# Altium PCB CPU_CARD.pcbdoc (part 9 of 10)
Units mil, origin at the board's own origin, x right, y up, seen from the top; angles counter-clockwise.
Board outline 12785.46 x 11935.21 mil, 2 copper layers (Top Layer, Bottom Layer); 169 components, 379 nets, 1548 pads, 1023 vias.
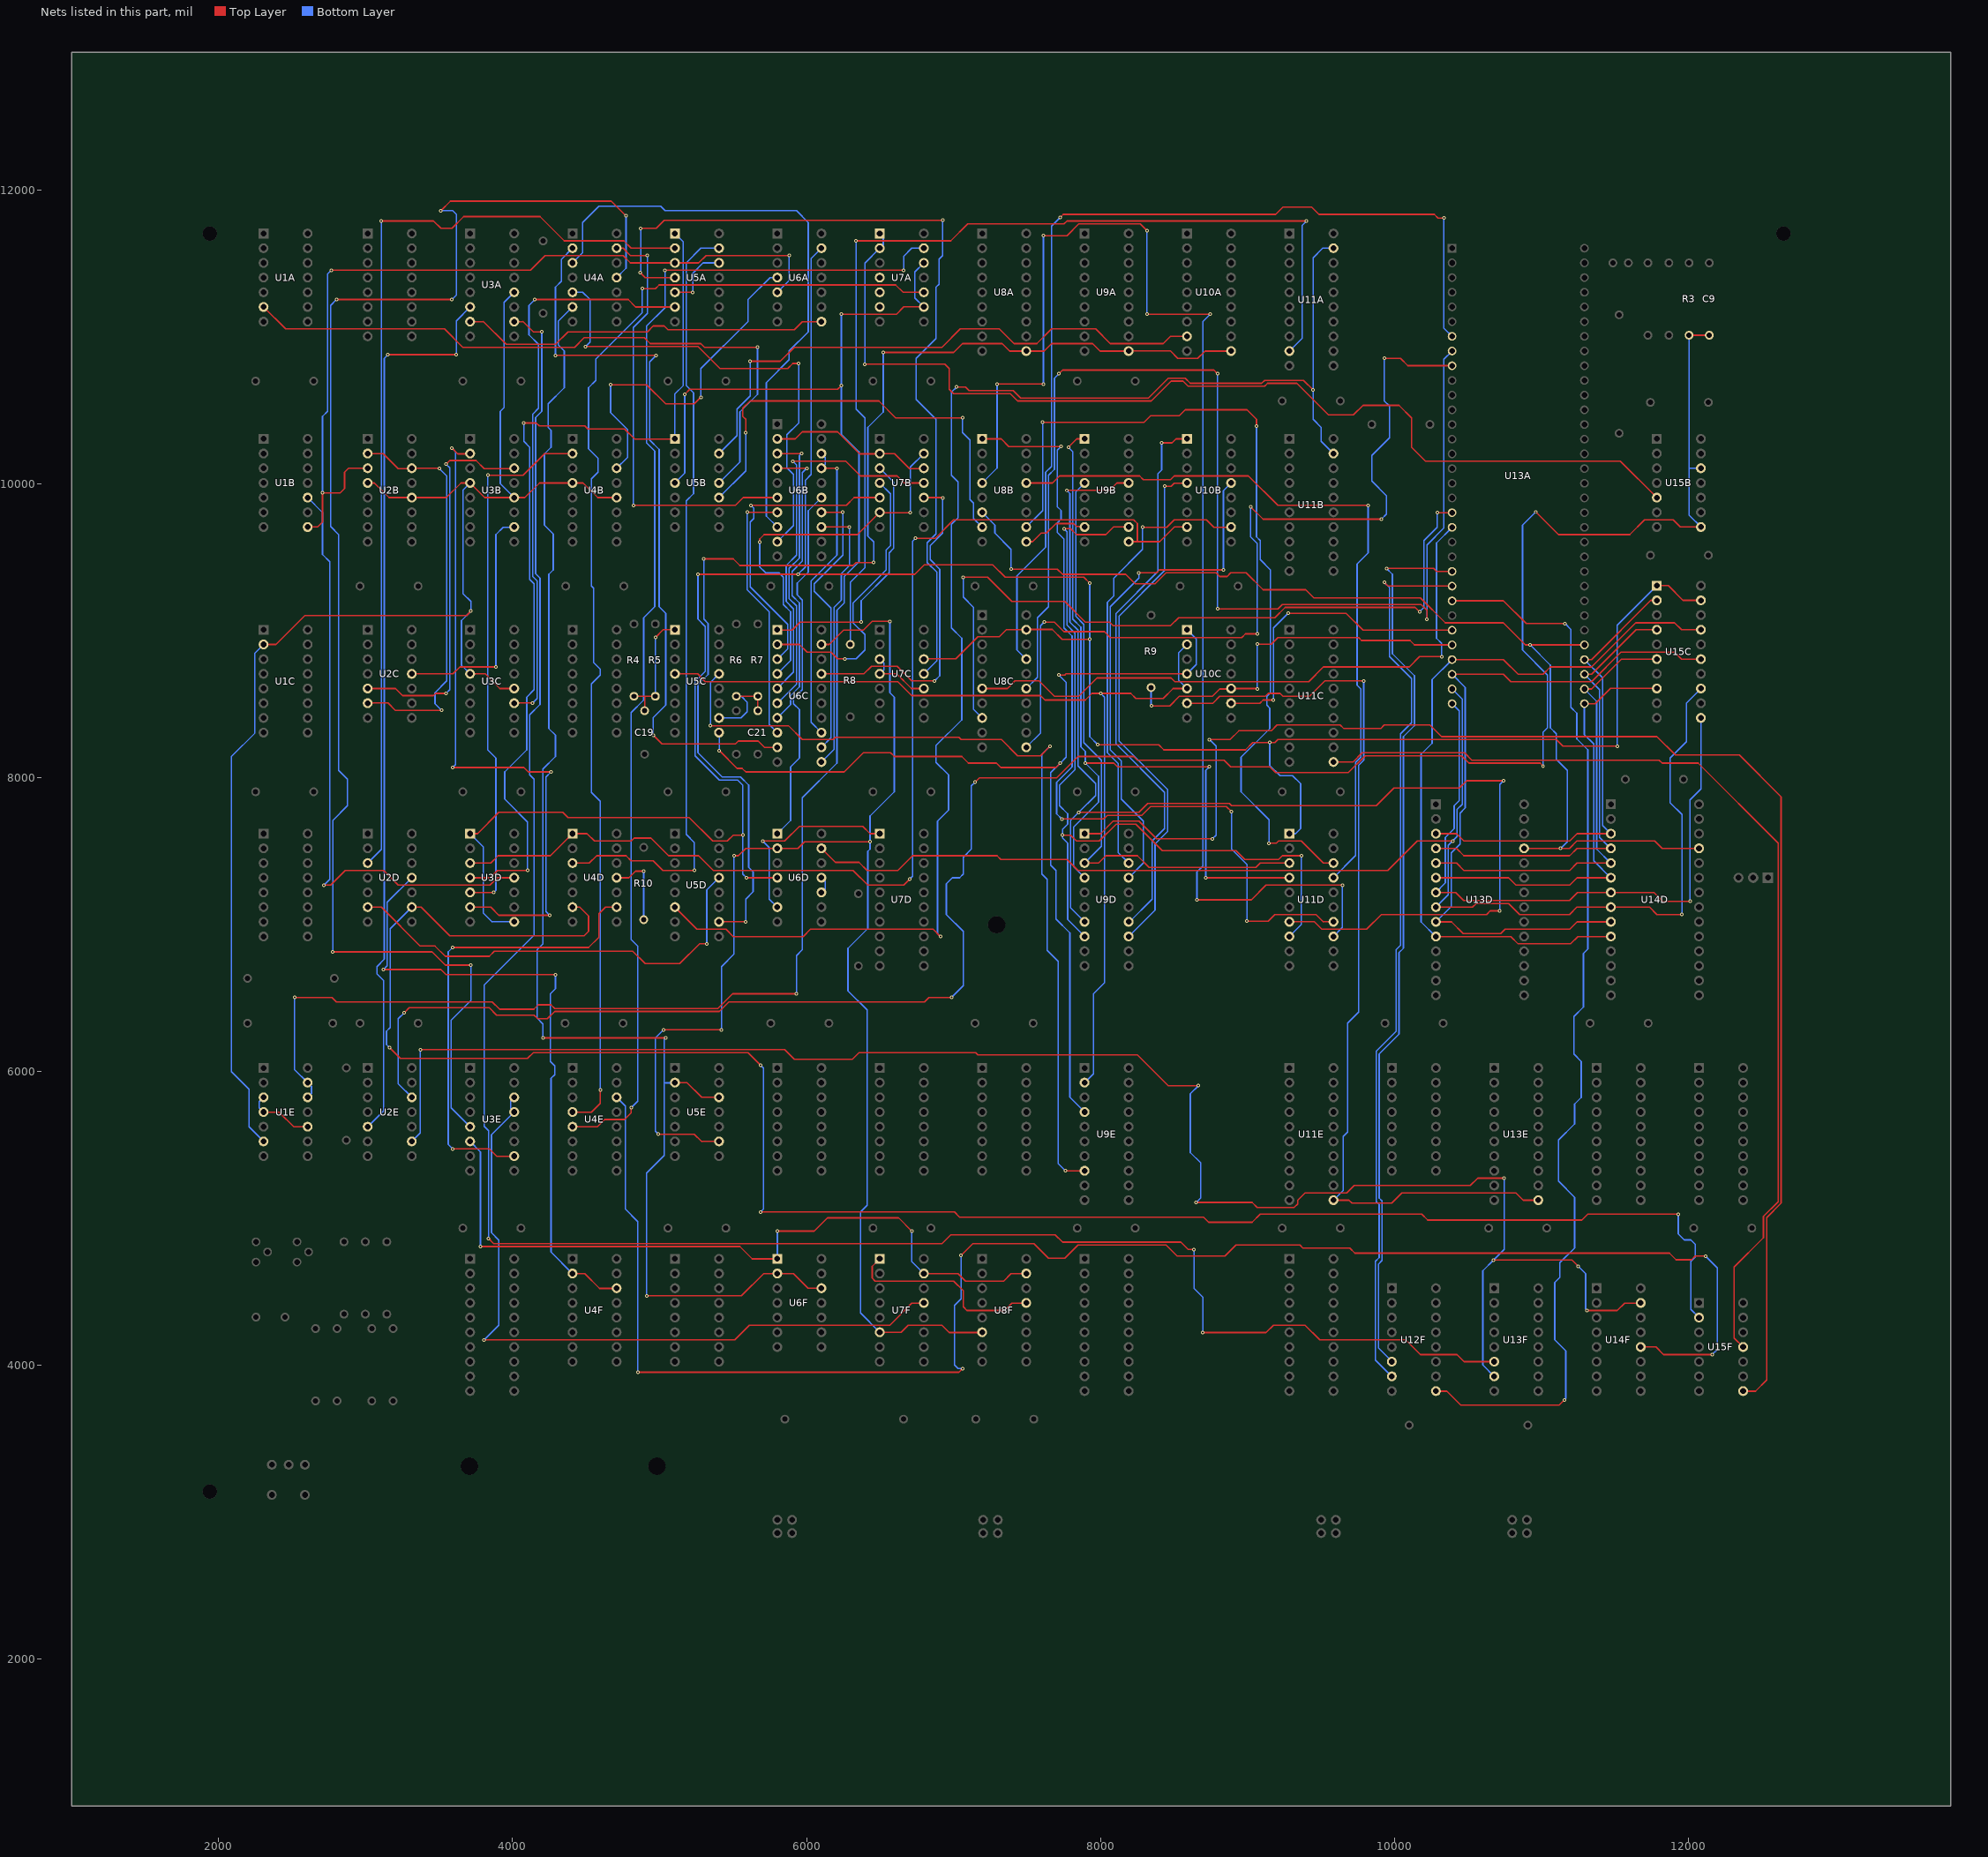
[diagram p9: the nets of this part, all layers, seen from the top]

## Via types
v1: diameter 24, hole 12, Top Layer to Bottom Layer, tented both sides, 1023 vias

## Nets (pads, with @x,y where several pads share a name; then routed paths per layer and width w, separated by ;. In a path a pad name is that pad's centre, name@x,y a point inside that pad or via, vN(x,y) a via of type N, cw(c..) or ccw(c..) an arc to the next point about the centre after c; other vN are vias at no path point) (continued)
U1E_6: U1C.2 U1E.6 U2B.4 U2B.12 U3A.12 U3B.4 U3B.12 U3C.4 U3C.12 U4B.4 U4B.12 | length 10180.4
  Top Layer w10: U1C.2@2305.33,8905.08 2389.6,8905.1 2586.7,9102.2 3686.7,9102.2 v1(3716.7,9132.2) ; U2B.4@3013.99,10004.29 3059.6,10004.3 3159.6,9904.3 U2B.12@3313.99,9904.29 3548.78,9904.29 3648.79,10004.3 U3B.4@3710.83,10004.3 ; U3C.4@3710.83,8705.08 3813.8,8705.1 3913.8,8605.1 U3C.12@4010.83,8605.08 ; U3B.4@3710.83,10004.3 3807.9,9907.2 3810.8,9904.3 U3B.12@4010.83,9904.3 ; U3B.12@4010.83,9904.3 4083.8,9904.3 4183.8,10004.3 U4B.4@4407.68,10004.3 4479.6,10004.3 4579.6,9904.3 U4B.12@4707.68,9904.3
  Bottom Layer w10: U1E.6@2305.32,5522.8 2206.7,5621.4 2206.7,5877.2 2086.7,5997.2 2086.7,8142.2 2246.7,8302.2 2246.7,8846.4 U1C.2@2305.33,8905.08 ; U3C.4@3710.83,8705.08 3651.7,8764.2 3651.7,9067.2 v1(3716.7,9132.2) 3716.7,9197.2 3661.7,9252.2 3661.7,9955.16 U3B.4@3710.83,10004.3 ; U3B.12@4010.83,9904.3 3916.7,9998.4 3916.7,10492.2 3941.7,10517.2 3941.7,11232.8 U3A.12@4010.83,11301.93
U1E_10: U1E.3 U1E.4 U1E.10 | length 464.9
  Top Layer w10: U1E.4@2305.32,5722.8 2411.7,5722.2 2511.1,5622.8 U1E.10@2605.32,5622.8
  Bottom Layer w10: U1E.4@2305.32,5722.8 2276.7,5751.42 2276.7,5794.18 U1E.3@2305.32,5822.8
U1E_12: U1E.12 U1E.13 U5B.4 U7A.9 U7A.12 | length 11756.4
  Top Layer w10: v1(2516.7,6502.2) 2771.7,6502.2 2801.7,6472.2 3861.7,6472.2 3911.7,6422.2 4144.2,6422.2 4174.2,6452.2 4261.7,6452.2 4286.7,6427.2 5396.7,6427.2 5496.7,6527.2 v1(5931.7,6527.2) ; v1(5171.7,10607.2) 5206.7,10642.2 6211.7,10642.2 v1(6236.7,10667.2) ; v1(6236.7,11152.2) 6611.7,11152.2 6661.7,11202.2 6797.95,11202.2 U7A.9@6798.23,11201.92
  Bottom Layer w10: v1(2516.7,6502.2) 2516.7,6011.42 U1E.13@2605.32,5922.8 2631.7,5897.2 2631.7,5847.2 2607.3,5822.8 U1E.12@2605.32,5822.8 ; U5B.4@5104.53,10004.29 5171.7,10071.46 v1(5171.7,10607.2) ; v1(5931.7,6527.2) 5931.7,6787.2 5971.7,6827.2 5971.7,7862.2 6206.7,8097.2 6206.7,9137.2 6256.7,9187.2 6256.7,9367.2 6356.7,9467.2 6356.7,10217.2 6236.7,10337.2 v1(6236.7,10667.2) v1(6236.7,11152.2) ; U7A.9@6798.23,11201.92 6736.7,11263.45 6736.7,11440.39 U7A.12@6798.23,11501.92
U2B_2: U2B.2 U2B.14 U2C.6 | length 2774.7
  Top Layer w10: U2C.6@3013.98,8505.08 3016.1,8507.2 3151.7,8507.2 3201.7,8457.2 v1(3516.7,8457.2) ; U2B.2@3013.99,10204.29 3119.62,10204.28 3221.7,10102.2 3311.92,10102.2 U2B.14@3313.99,10104.29 3501.7,10104.28 v1(3501.7,10102.2)
  Bottom Layer w10: v1(3501.7,10102.2) 3551.7,10052.2 3551.7,8657.2 3471.7,8577.2 3471.7,8502.2 v1(3516.7,8457.2)
U2C_5: U2C.5 U3B.14 | length 2637.6
  Top Layer w10: U2C.5@3013.98,8605.08 3203.82,8605.08 3251.7,8557.2 3461.7,8557.2 3476.7,8572.2 v1(3546.7,8572.2) ; v1(3546.7,10132.2) 3571.7,10157.2 3751.7,10157.2 3806.7,10102.2 4008.75,10102.2 U3B.14@4010.83,10104.3
  Bottom Layer w10: v1(3546.7,8572.2) 3571.7,8597.2 3571.7,10107.2 v1(3546.7,10132.2)
U2C_11: U2C.11 U3B.10 | length 1638
  Top Layer w10: U2C.11@3313.98,8705.08 3594.58,8705.08 3641.7,8752.2 v1(3886.7,8752.2)
  Bottom Layer w10: v1(3886.7,8752.2) 3886.7,9652.2 3936.7,9702.2 4008.75,9702.2 U3B.10@4010.83,9704.3
U2E_5: U2E.5 U3A.6 | length 6177.4
  Top Layer w10: v1(3151.7,10877.2) 3541.7,10877.2 v1(3616.7,10877.2)
  Bottom Layer w10: U2E.5@3013.98,5622.8 3121.7,5730.5 3121.7,6617.2 3076.7,6662.2 3076.7,6712.2 3126.7,6762.2 3126.7,10852.2 v1(3151.7,10877.2) ; v1(3616.7,10877.2) 3616.7,11107.79 U3A.6@3710.83,11201.93
U2E_9: U2E.9 U13F.7 U14F.15 | length 11894.2
  Top Layer w10: v1(3371.7,6147.2) 5851.7,6147.2 5916.7,6082.2 6311.7,6082.2 6356.7,6127.2 7151.7,6127.2 7166.7,6112.2 8251.7,6112.2 8461.7,5902.2 v1(8666.7,5902.2) ; v1(8651.7,5107.2) 9031.7,5107.2 9066.7,5072.2 9316.7,5072.2 9341.7,5097.2 9341.7,5122.2 9391.7,5172.2 9676.7,5172.2 9726.7,5222.2 10516.7,5222.2 10566.7,5272.2 v1(10746.7,5272.2) ; v1(10675.2,4715.7) 11208.19,4715.71 v1(11251.7,4672.2) ; v1(11311.7,4372.2) 11516.7,4372.2 11566.7,4422.2 11674.79,4422.2 U14F.15@11676.17,4423.6
  Bottom Layer w10: U2E.9@3313.98,5522.8 3371.7,5580.5 v1(3371.7,6147.2) ; v1(8651.7,5107.2) 8681.7,5137.2 8681.7,5377.2 8611.7,5447.2 8611.7,5847.2 v1(8666.7,5902.2) ; U13F.7@10679.32,3923.6 10601.7,4001.22 10601.7,4642.2 v1(10675.2,4715.7) 10746.7,4787.2 v1(10746.7,5272.2) ; v1(11251.7,4672.2) 11301.7,4622.2 11301.7,4382.2 v1(11311.7,4372.2)
U2E_12: C9.1 R3.1 U2E.12 U15B.8 U15B.12 | length 15235.5
  Top Layer w10: v1(3261.7,6397.2) 3296.7,6432.2 3841.7,6432.2 3891.7,6382.2 4146.7,6382.2 4171.7,6357.2 4236.7,6357.2 4286.7,6407.2 5406.7,6407.2 5471.7,6472.2 6802,6472.2 6832,6502.2 v1(6986.7,6502.2) ; v1(7146.7,7967.2) 7176.7,7997.2 7701.7,7997.2 7846.7,8142.2 8226.7,8142.2 8251.7,8117.2 8841.7,8117.2 8886.7,8072.2 9151.7,8072.2 9191.7,8032.2 9686.7,8032.2 9801.7,8147.2 10456.7,8147.2 10506.7,8097.2 10991.7,8097.2 v1(11011.7,8077.2) ; v1(10961.7,9807.2) 11116.7,9652.2 11601.7,9652.2 11701.7,9752.2 ; R3.1@12005.3,11009.84 C9.1@12143.1,11009.84 ; 11701.7,9752.2 11896.7,9752.2 ; 11701.7,9752.2 11896.7,9752.2 ; 11896.7,9752.2 11944.6,9704.3 ; 11896.7,9752.2 11944.6,9704.3 ; 11944.6,9704.3 U15B.8@12085.62,9704.29 11944.6,9704.3
  Bottom Layer w10: v1(3261.7,6397.2) 3221.7,6357.2 3221.7,5915.1 U2E.12@3313.98,5822.8 ; v1(6986.7,6502.2) 7066.7,6582.2 7066.7,6952.2 6951.7,7067.2 6951.7,7277.2 6991.7,7317.2 7041.7,7317.2 7066.7,7342.2 7066.7,7457.2 7121.7,7512.2 7121.7,7942.2 v1(7146.7,7967.2) ; v1(10961.7,9807.2) 10871.7,9717.2 10871.7,8867.2 11041.7,8697.2 11041.7,8337.2 11011.7,8307.2 v1(11011.7,8077.2) ; 12005.3,10104.29 U15B.12@12085.62,10104.29 ; R3.1@12005.3,11009.84 12005.3,9784.61 U15B.8@12085.62,9704.29
U3A_10: U3A.10 U13F.6 | length 14188.4
  Top Layer w10: v1(3836.7,4862.2) 3871.7,4827.2 6921.7,4827.2 6981.7,4887.2 7691.7,4887.2 7741.7,4837.2 8546.7,4837.2 8596.7,4787.2 v1(8636.7,4787.2) ; U3A.10@4010.83,11101.93 4071.7,11102.2 4141.7,11032.2 v1(4198.78,11032.2) ; v1(8696.7,4222.2) 9126.7,4222.2 9176.7,4272.2 9391.7,4272.2 9491.7,4172.2 10076.7,4172.2 10176.7,4072.2 10426.7,4072.2 10475.3,4023.6 U13F.6@10679.32,4023.6
  Bottom Layer w10: v1(3836.7,4862.2) 3836.7,5596 3806.7,5626 3806.7,6587.2 4146.7,6927.2 4146.7,7987.2 4116.7,8017.2 4116.7,8427.2 4186.7,8497.2 4186.7,9357.2 4156.7,9387.2 4156.7,10450.1 4198.8,10492.2 v1(4198.78,11032.2) ; v1(8636.7,4787.2) 8636.7,4522.2 8696.7,4462.2 v1(8696.7,4222.2)
U3B_2: U3B.2 U3D.6 | length 4581.2
  Top Layer w10: v1(3586.7,10242.2) 3626.7,10202.2 3708.75,10202.2 U3B.2@3710.83,10204.3 ; v1(3591.7,8067.2) 4076.7,8067.2 4106.7,8037.2 v1(4261.7,8037.2) ; U3D.6@3710.83,7117.29 3851.61,7117.29 3906.7,7062.2 v1(4251.7,7062.2)
  Bottom Layer w10: v1(3586.7,10242.2) 3611.7,10217.2 3611.7,8087.2 v1(3591.7,8067.2) ; v1(4251.7,7062.2) 4226.7,7087.2 4226.7,8002.2 v1(4261.7,8037.2)
U3D_5: U3D.5 U4B.2 | length 3666.9
  Top Layer w10: U3D.5@3710.83,7217.29 3710.9,7217.2 v1(3871.7,7217.2) ; v1(3831.7,10057.2) 4071.7,10057.2 4218.79,10204.29 U4B.2@4407.68,10204.3
  Bottom Layer w10: v1(3831.7,10057.2) 3831.7,8187.2 3886.7,8132.2 3886.7,7232.2 v1(3871.7,7217.2)
U3D_11: U1B.10 U3D.11 | length 4114.1
  Top Layer w10: v1(2716.7,7267.2) 2761.7,7267.2 2861.7,7367.2 3121.7,7367.2 3221.7,7267.2 3846.7,7267.2 3896.8,7317.3 U3D.11@4010.83,7317.29
  Bottom Layer w10: U1B.10@2605.32,9904.29 2706.7,9802.9 2706.7,9517.2 2756.7,9467.2 2756.7,7307.2 v1(2716.7,7267.2)
U3E_5: U3E.5 U4A.11 | length 9999.6
  Top Layer w10: v1(2776.7,6812.2) 3451.7,6812.2 3541.7,6722.2 v1(3716.7,6722.2) ; v1(2801.7,11252.2) v1(3586.7,11252.2) ; v1(3511.7,11857.2) 3576.7,11922.2 4671.7,11922.2 v1(4771.7,11822.2)
  Bottom Layer w10: v1(2776.7,6812.2) 2776.7,7707.2 2876.7,7807.2 2876.7,7987.2 2816.7,8047.2 2816.7,9652.2 2761.7,9707.2 2761.7,11212.2 v1(2801.7,11252.2) ; v1(3511.7,11857.2) 3591.7,11857.2 3616.7,11832.2 3616.7,11282.2 v1(3586.7,11252.2) ; U3E.5@3710.83,5622.81 3581.7,5751.9 3581.7,6347.2 3716.7,6482.2 v1(3716.7,6722.2) ; U4A.11@4707.68,11401.92 4771.7,11465.94 v1(4771.7,11822.2)
U3E_6: U3E.6 U6F.1 U7F.15 U8F.15 | length 5039.6
  Top Layer w10: v1(3781.7,4807.2) 5546.7,4807.2 5630.3,4723.6 U6F.1@5801.38,4723.59 ; v1(5801.38,4912.2) 6051.7,4912.2 6141.7,5002.2 6626.7,5002.2 v1(6716.7,4912.2) ; U7F.15@6798.23,4623.6 7030.31,4623.59 7081.7,4572.2 7341.7,4572.2 7391.7,4622.2 7493.7,4622.2 U8F.15@7495.08,4623.6
  Bottom Layer w10: U3E.6@3710.83,5522.81 3781.7,5451.94 v1(3781.7,4807.2) ; U6F.1@5801.38,4723.59 v1(5801.38,4912.2) ; v1(6716.7,4912.2) 6716.7,4705.13 U7F.15@6798.23,4623.6
U3E_10: U3E.10 U4D.9 | length 3158.3
  Top Layer w10: v1(3591.7,5472.2) 3841.7,5472.2 3891.7,5422.2 U3E.10@4010.83,5422.81 ; v1(3591.7,6842.2) 4516.7,6842.2 4586.7,6912.2 4586.7,7072.2 4631.79,7117.29 U4D.9@4707.68,7117.29
  Bottom Layer w10: v1(3591.7,5472.2) 3561.7,5502.2 3561.7,6812.2 v1(3591.7,6842.2)
U3E_13: U3E.13 U3E.14 U7F.13 | length 4892.2
  Top Layer w10: v1(3806.7,4172.2) 5511.7,4172.2 5611.7,4272.2 6566.7,4272.2 6716.7,4422.2 6796.85,4422.2 U7F.13@6798.23,4423.6
  Bottom Layer w10: v1(3806.7,4172.2) 3906.7,4272.2 3906.7,4851.5 3856.7,4901.5 3856.7,5568.7 U3E.13@4010.83,5722.81 ; U3E.13@4010.83,5722.81 3986.7,5746.94 3986.7,5797.2 4010.84,5821.34 U3E.14@4010.83,5822.81
U4A_2: U4A.2 U6C.9 | length 5042.4
  Top Layer w10: v1(4291.7,10872.2) v1(4976.7,10872.2) ; v1(4956.7,8287.2) 5016.7,8227.2 5516.7,8227.2 5536.7,8247.2 5671.7,8247.2 5713.8,8205.1 U6C.9@5801.38,8205.08
  Bottom Layer w10: v1(4291.7,10872.2) 4291.7,11337.2 4331.7,11377.2 4331.7,11525.9 U4A.2@4407.68,11601.92 ; v1(4956.7,8287.2) 4956.7,8407.2 5041.7,8492.2 5041.7,9117.2 4996.7,9162.2 4996.7,10232.2 4931.7,10297.2 4931.7,10827.2 v1(4976.7,10872.2)
U4A_3: U4A.3 U6B.8 | length 4151.9
  Bottom Layer w10: U4A.3@4407.68,11501.92 4476.7,11570.9 4476.7,11777.2 4586.7,11887.2 5006.7,11887.2 5036.7,11857.2 5931.7,11857.2 6011.7,11777.2 6011.7,11032.2 5881.7,10902.2 5881.7,10842.2 5726.7,10687.2 5726.7,9779 U6B.8@5801.38,9704.29
U4A_5: U4A.5 U6B.9 | length 3309
  Top Layer w10: v1(4496.7,10932.2) 5261.7,10932.2 5411.7,10782.2 5871.7,10782.2 5906.7,10817.2 v1(5946.7,10817.2)
  Bottom Layer w10: U4A.5@4407.68,11301.92 4477,11301.9 4526.7,11252.2 4526.7,10962.2 v1(4496.7,10932.2) ; U6B.9@5801.38,9604.29 5911.7,9714.6 5911.7,10062.5 5866.7,10107.5 5866.7,10332.2 5946.7,10412.2 v1(5946.7,10817.2)
U4A_6: U4A.6 U5E.2 U5E.12 U6F.2 U6F.12 | length 9575.9
  Top Layer w10: v1(4206.7,6227.2) v1(5041.7,6227.2) ; v1(4911.7,4472.2) 5556.7,4472.2 5708.09,4623.59 U6F.2@5801.38,4623.59 5802.77,4622.2 5911.7,4622.2 6010.31,4523.59 U6F.12@6101.38,4523.59 ; U5E.2@5104.53,5922.8 5186.7,5922.2 5286.1,5822.8 U5E.12@5404.53,5822.8
  Bottom Layer w10: v1(4206.7,6227.2) 4206.7,6322.2 4166.7,6362.2 4166.7,6827.2 4206.7,6867.2 4206.7,8057.2 4291.7,8142.2 4291.7,8287.2 4246.7,8332.2 4246.7,9382.2 4276.7,9412.2 4276.7,9657.2 4216.7,9717.2 4216.7,10202.2 4261.7,10247.2 4261.7,10362.2 4241.7,10382.2 4241.7,10542.2 4351.7,10652.2 4351.7,10903 4311.7,10943 4311.7,11105.9 U4A.6@4407.68,11201.92 ; v1(4911.7,4472.2) 4911.7,5307.2 5031.7,5427.2 5031.7,6227.2 v1(5041.7,6227.2) ; 5041.7,5921.33 5103.05,5921.33 U5E.2@5104.53,5922.8
U4A_13: U4A.13 U6B.6 | length 2970.2
  Top Layer w10: U4A.13@4707.68,11601.92 4751.98,11601.92 4801.7,11552.2 v1(4916.7,11552.2) ; v1(4821.7,9852.2) 5516.7,9852.2 5568.8,9904.3 U6B.6@5801.38,9904.29
  Bottom Layer w10: v1(4821.7,9852.2) 4821.7,11062.2 4916.7,11157.2 v1(4916.7,11552.2)
U4D_1: U3D.3 U4D.1 U9B.9 U10B.7 | length 8269.9
  Top Layer w10: U3D.3@3710.83,7417.29 3851.79,7417.29 3901.7,7467.2 4257.59,7467.2 U4D.1@4407.68,7617.29 4506.61,7617.29 4556.7,7567.2 4806.7,7567.2 4826.7,7587.2 4941.7,7587.2 5061.7,7467.2 5266.7,7467.2 5366.7,7367.2 6316.7,7367.2 6416.7,7267.2 6661.7,7267.2 v1(6701.7,7307.2) ; v1(6741.7,9627.2) 6876.7,9627.2 7001.7,9752.2 8226.7,9752.2 ; 7836.7,9752.2 8226.7,9752.2 ; U9B.9@8191.93,9604.29 8403.8,9604.3 8503.8,9704.3 U10B.7@8588.78,9704.29 ; 8226.7,9752.2 8251.5,9727.4 ; 8226.7,9752.2 8251.5,9727.4 ; 8251.5,9727.4 8251.5,9604.3 8251.5,9727.4
  Bottom Layer w10: v1(6701.7,7307.2) 6721.7,7327.2 6721.7,9607.2 v1(6741.7,9627.2)
U4D_6: U2D.9 U4D.6 U15F.2 | length 13337.3
  Top Layer w10: v1(3161.7,6162.2) 3236.7,6087.2 4101.7,6087.2 4141.7,6127.2 5601.7,6127.2 v1(5686.7,6042.2) ; U2D.9@3313.98,7117.29 3376.6,7117.3 3571.7,6922.2 4486.7,6922.2 4516.7,6952.2 4516.7,7057.2 4456.6,7117.3 U4D.6@4407.68,7117.29 ; v1(5686.7,5042.2) 7006.7,5042.2 7041.7,5007.2 8701.7,5007.2 8736.7,4972.2 9031.7,4972.2 9086.7,5027.2 10186.7,5027.2 10226.7,4987.2 11276.7,4987.2 11316.7,5027.2 v1(11931.7,5027.2)
  Bottom Layer w10: v1(3161.7,6162.2) 3141.7,6182.2 3141.7,6272.2 3166.7,6297.2 3166.7,6970 U2D.9@3313.98,7117.29 ; v1(5686.7,5042.2) 5706.7,5062.2 5706.7,6022.2 v1(5686.7,6042.2) ; v1(11931.7,5027.2) 11931.7,4892.2 11971.7,4852.2 12016.7,4852.2 12046.7,4822.2 12046.7,4737.2 12016.7,4707.2 12016.7,4379.9 U15F.2@12073.02,4323.59
U4D_11: R10.2 U4D.11 | length 533.1
  Top Layer w10: U4D.11@4707.68,7317.29 4791.8,7317.3 4836.7,7362.2 v1(4891.7,7362.2)
  Bottom Layer w10: v1(4891.7,7362.2) 4891.7,7033.12 R10.2@4892.7,7032.14
U4E_14: U4E.14 U14F.12 | length 11494.8
  Top Layer w10: v1(4851.7,3952.2) 7036.7,3952.2 v1(7061.7,3977.2) ; v1(7051.7,4747.2) 7131.7,4827.2 7546.7,4827.2 7646.7,4727.2 7756.7,4727.2 7846.7,4817.2 8446.7,4817.2 8521.7,4742.2 8846.7,4742.2 8921.7,4817.2 9356.7,4817.2 9376.7,4797.2 9696.7,4797.2 9731.7,4762.2 11871.7,4762.2 11916.7,4717.2 12021.7,4717.2 12046.7,4742.2 v1(12116.7,4742.2) ; U14F.12@11676.17,4123.6 11780.31,4123.59 11831.7,4072.2 v1(12161.7,4072.2)
  Bottom Layer w10: U4E.14@4707.68,5822.81 4766.7,5763.8 4766.7,5687.2 4766.7,5062.2 4851.7,4977.2 v1(4851.7,3952.2) ; v1(7051.7,4747.2) 7051.7,4452.2 7006.7,4407.2 7006.7,4002.2 7031.7,3977.2 v1(7061.7,3977.2) ; v1(12116.7,4742.2) 12196.7,4662.2 12196.7,4107.2 v1(12161.7,4072.2)
U4F_2: U2D.11 U4F.2 U4F.14 | length 4363.2
  Top Layer w10: v1(3121.7,6692.2) 3511.7,6692.2 3546.7,6657.2 v1(4291.7,6657.2) ; U4F.2@4407.68,4623.6 4490.31,4623.59 4591.7,4522.2 4706.3,4522.2 U4F.14@4707.68,4523.6
  Bottom Layer w10: v1(3121.7,6692.2) 3146.7,6717.2 3146.7,7150 U2D.11@3313.98,7317.29 ; v1(4291.7,6657.2) 4291.7,6562.2 4256.7,6527.2 4256.7,6067.2 4286.7,6037.2 4286.7,5977.2 4261.7,5952.2 4261.7,4769.6 U4F.2@4407.68,4623.6
U5A_2: U2D.3 U5A.2 | length 6549.1
  Top Layer w10: v1(3106.7,11787.2) 3461.7,11787.2 3511.7,11737.2 3586.7,11737.2 3666.7,11817.2 4186.7,11817.2 4351.7,11652.2 4756.7,11652.2 4807,11601.9 U5A.2@5104.53,11601.92
  Bottom Layer w10: U2D.3@3013.98,7417.29 3106.7,7510 3106.7,10793.7 v1(3106.7,11787.2)
U5A_6: U3C.11 U5A.6 | length 3930.3
  Top Layer w10: U3C.11@4010.83,8505.08 4012.97,8507.2 v1(4136.7,8507.2) ; v1(4151.7,11252.2) 4786.7,11252.2 4836.98,11201.92 U5A.6@5104.53,11201.92
  Bottom Layer w10: v1(4136.7,8507.2) 4166.7,8537.2 4166.7,9337.2 4136.7,9367.2 4136.7,10472.2 4176.7,10512.2 4176.7,10947.2 4111.7,11012.2 4111.7,11212.2 v1(4151.7,11252.2)
U5A_12: U5A.5 U5A.12 | length 459
  Top Layer w10: U5A.5@5104.53,11301.92 5104.8,11302.2 v1(5226.7,11302.2)
  Bottom Layer w10: v1(5226.7,11302.2) 5226.7,11432.2 5296.42,11501.92 U5A.12@5404.53,11501.92
U5A_13: U4D.3 U5A.13 | length 5354.4
  Top Layer w10: U4D.3@4407.68,7417.29 4521.79,7417.29 4571.7,7467.2 4771.7,7467.2 4806.7,7432.2 4956.7,7432.2 5021.7,7367.2 v1(5236.7,7367.2)
  Bottom Layer w10: v1(5236.7,7367.2) 5236.7,7557.2 5181.7,7612.2 5181.7,9882.2 5231.7,9932.2 5231.7,10617.2 5181.7,10667.2 5181.7,11502.2 5281.4,11601.9 U5A.13@5404.53,11601.92
U5B_1: U3D.4 U5A.1 U5B.1 | length 6151.8
  Top Layer w10: U3D.4@3710.83,7317.29 3846.6,7317.3 3896.5,7367.2 v1(4101.7,7367.2) ; v1(4076.7,10412.2) 4161.7,10412.2 4181.7,10392.2 4491.7,10392.2 4511.7,10372.2 4761.7,10372.2 4831.7,10302.2 5102.4,10302.2 U5B.1@5104.53,10304.29
  Bottom Layer w10: v1(4076.7,10412.2) 4076.7,10287.2 4116.7,10247.2 4116.7,9347.2 4146.7,9317.2 4146.7,8597.2 4096.7,8547.2 4096.7,8187.2 3946.7,8037.2 3946.7,7852.2 4101.7,7697.2 v1(4101.7,7367.2) ; U5B.1@5104.53,10304.29 5104.5,10610 5161.7,10667.2 5161.7,11644.7 U5A.1@5104.53,11701.92
U5B_10: U5B.10 U8B.7 | length 3053.2
  Top Layer w10: v1(5586.7,10347.2) 5586.7,10437.2 5566.7,10457.2 5566.7,10512.2 5616.7,10562.2 6491.7,10562.2 6606.7,10447.2 v1(7061.7,10447.2)
  Bottom Layer w10: U5B.10@5404.53,9904.29 5586.7,10086.46 v1(5586.7,10347.2) ; v1(7061.7,10447.2) 7061.7,10347.2 7111.7,10297.2 7111.7,9892.2 7136.7,9867.2 7136.7,9762.7 U8B.7@7195.08,9704.3
U5B_11: U1A.6 U5B.11 | length 4560.5
  Top Layer w10: U1A.6@2305.32,11201.92 2455,11052.2 3536.7,11052.2 3661.7,10927.2 4421.7,10927.2 4486.7,10992.2 4896.7,10992.2 4936.7,10952.2 5281.7,10952.2 5306.7,10927.2 v1(5666.7,10927.2)
  Bottom Layer w10: U5B.11@5404.53,10004.29 5546.7,10146.5 5546.7,10487.2 5666.7,10607.2 v1(5666.7,10927.2)
U5B_13: U5B.13 U10A.8 | length 3924
  Top Layer w10: v1(5616.7,10832.2) 5821.7,10832.2 5916.7,10927.2 6921.7,10927.2 7046.7,11052.2 7311.7,11052.2 7411.7,10952.2 7566.7,10952.2 7666.7,11052.2 7966.7,11052.2 8066.7,10952.2 8426.7,10952.2 8476.7,11002.2 U10A.8@8588.77,11001.92
  Bottom Layer w10: U5B.13@5404.53,10204.29 5526.7,10326.5 5526.7,10507.2 5616.7,10597.2 v1(5616.7,10832.2)
U5C_1: C19.2 R4.2 R5.2 U5C.1 | length 798.7
  Top Layer w10: R4.2@4825.8,8552.34 R5.2@4971.5,8552.34 ; C19.2@4898.6,8453.9 4898.62,8552.33 ; v1(4971.7,8952.2) 5024.57,9005.07 U5C.1@5104.53,9005.08
  Bottom Layer w10: R5.2@4971.5,8552.34 4971.7,8707.2 v1(4971.7,8952.2)
U5C_4: U5C.4 U9E.2 U10C.2 U10C.5 | length 6682.1
  Top Layer w10: U5C.4@5104.53,8705.08 5258.8,8705.1 5311.7,8652.2 6621.7,8652.2 6716.7,8557.2 7591.7,8557.2 7621.7,8527.2 7761.7,8527.2 7896.7,8527.2 7941.7,8572.2 v1(8001.7,8572.2) 8206.7,8572.2 8241.7,8537.2 8426.7,8537.2 8494.58,8605.08 U10C.5@8588.77,8605.08
  Bottom Layer w10: U9E.2@7891.92,5922.8 7951.7,5982.6 7951.7,6527.2 8026.7,6602.2 8026.7,8547.2 v1(8001.7,8572.2) ; U10C.5@8588.77,8605.08 8531.7,8662.15 8531.7,8848.01 U10C.2@8588.77,8905.08
U5C_9: U5C.9 U9E.4 U10C.1 U10C.4 | length 6972.9
  Top Layer w10: v1(5406.7,8182.2) 5526.91,8061.99 5561.91,8061.99 5586.7,8037.2 6256.7,8037.2 6386.7,8167.2 6571.7,8167.2 6596.7,8142.2 7056.7,8142.2 7101.7,8097.2 7291.7,8097.2 7321.7,8067.2 7696.7,8067.2 v1(7726.7,8097.2) ; v1(7716.7,8697.2) 7756.7,8697.2 7764.58,8705.08 U10C.4@8588.77,8705.08
  Bottom Layer w10: U5C.9@5404.53,8305.08 5406.7,8302.92 v1(5406.7,8182.2) ; v1(7716.7,8697.2) 7766.7,8647.2 7766.7,8137.2 v1(7726.7,8097.2) 7661.7,8032.2 7661.7,7402.2 7696.7,7367.2 7696.7,7037.2 7791.7,6942.2 7791.7,5823 U9E.4@7891.92,5722.8 ; U10C.4@8588.77,8705.08 8651.7,8768.01 8651.7,8942.15 U10C.1@8588.77,9005.08
U5C_10: C21.2 R6.2 R7.2 U5C.10 | length 609.4
  Top Layer w10: R6.2@5522.6,8552.34 R7.2@5668.3,8552.34 ; C21.2@5668.31,8453.9 R7.2@5668.3,8552.34
  Bottom Layer w10: U5C.10@5404.53,8405.08 5554.6,8405.1 5596.7,8447.2 5596.7,8512.2 5556.6,8552.3 R6.2@5522.6,8552.34
U5C_13: U5C.13 U9E.8 | length 5920.6
  Top Layer w10: v1(5346.7,8352.2) 5876.7,8352.2 5971.7,8257.2 6181.7,8257.2 6196.7,8272.2 7036.7,8272.2 7051.7,8257.2 7326.7,8257.2 7436.7,8147.2 7591.7,8147.2 v1(7656.7,8212.2) ; v1(7761.7,5322.2) 7891.3,5322.2 U9E.8@7891.92,5322.8
  Bottom Layer w10: v1(5346.7,8352.2) 5346.7,8377.2 5346.7,8647.23 U5C.13@5404.53,8705.08 ; v1(7656.7,8212.2) 7601.7,8157.2 7601.7,7342.2 7636.7,7307.2 7636.7,6822.2 7711.7,6747.2 7711.7,5372.2 v1(7761.7,5322.2)
U5D_10: U5D.10 U8A.10 U9A.10 U10A.10 | length 8109.7
  Top Layer w10: v1(5301.7,9487.2) 5501.7,9487.2 5546.7,9442.2 6316.7,9442.2 6336.7,9462.2 v1(6456.7,9462.2) ; U5D.10@5404.53,7017.29 v1(5586.7,7017.2) ; v1(6521.7,10892.2) 7001.7,10892.2 7061.7,10952.2 7331.7,10952.2 7382,10901.9 U8A.10@7495.07,10901.92 7616.4,10901.9 7666.7,10952.2 7946.7,10952.2 7997,10901.9 U9A.10@8191.92,10901.92 8476.7,10902.2 8526.7,10852.2 8661.7,10852.2 8711.4,10901.9 U10A.10@8888.77,10901.92
  Bottom Layer w10: v1(5301.7,9487.2) 5301.7,9077.2 5330.6,9048.3 5330.6,8701.1 5261.7,8632.2 5261.7,8167.2 5426.7,8002.2 5551.7,8002.2 5606.7,7947.2 5606.7,7387.2 5636.7,7357.2 5636.7,7222.2 5586.7,7172.2 v1(5586.7,7017.2) ; v1(6456.7,9462.2) 6456.7,9602.2 6416.7,9642.2 6416.7,10382.2 6521.7,10487.2 v1(6521.7,10892.2)
U5D_13: U2D.6 U5D.13 | length 3036.5
  Top Layer w10: U2D.6@3013.98,7117.29 3106.7,7117.2 3371.7,6852.2 3471.7,6852.2 3541.7,6782.2 3841.7,6782.2 3876.7,6817.2 4816.7,6817.2 4901.7,6732.2 5136.7,6732.2 5271.7,6867.2 v1(5321.7,6867.2)
  Bottom Layer w10: v1(5321.7,6867.2) 5321.7,7234.44 U5D.13@5404.53,7317.29
U6A_4: U4B.14 U6A.4 | length 2392.9
  Top Layer w10: v1(4666.7,10672.2) 4911.7,10672.2 5041.7,10542.2 5236.7,10542.2 v1(5281.7,10587.2)
  Bottom Layer w10: v1(4666.7,10672.2) 4666.7,10482.2 4781.7,10367.2 4781.7,10178.3 U4B.14@4707.68,10104.3 ; v1(5281.7,10587.2) 5281.7,10782.2 5601.7,11102.2 5601.7,11252.2 5751.4,11401.9 U6A.4@5801.38,11401.92